# Altium PCB Copy of FPGA_Module.PcbDoc (part 2 of 3)
Units mm, origin at the board's own origin, x right, y up, seen from the top; angles counter-clockwise.
Board outline 40 x 50 mm, 6 copper layers (Top Layer, Int1 (GND), Int2 (Sign), Int3 (Sign), Int4 (GND), Bottom Layer), stack 1.49 mm thick; 166 components, 203 nets, 1172 pads, 436 vias.
Unrouted connection lines stored in the file: 464.
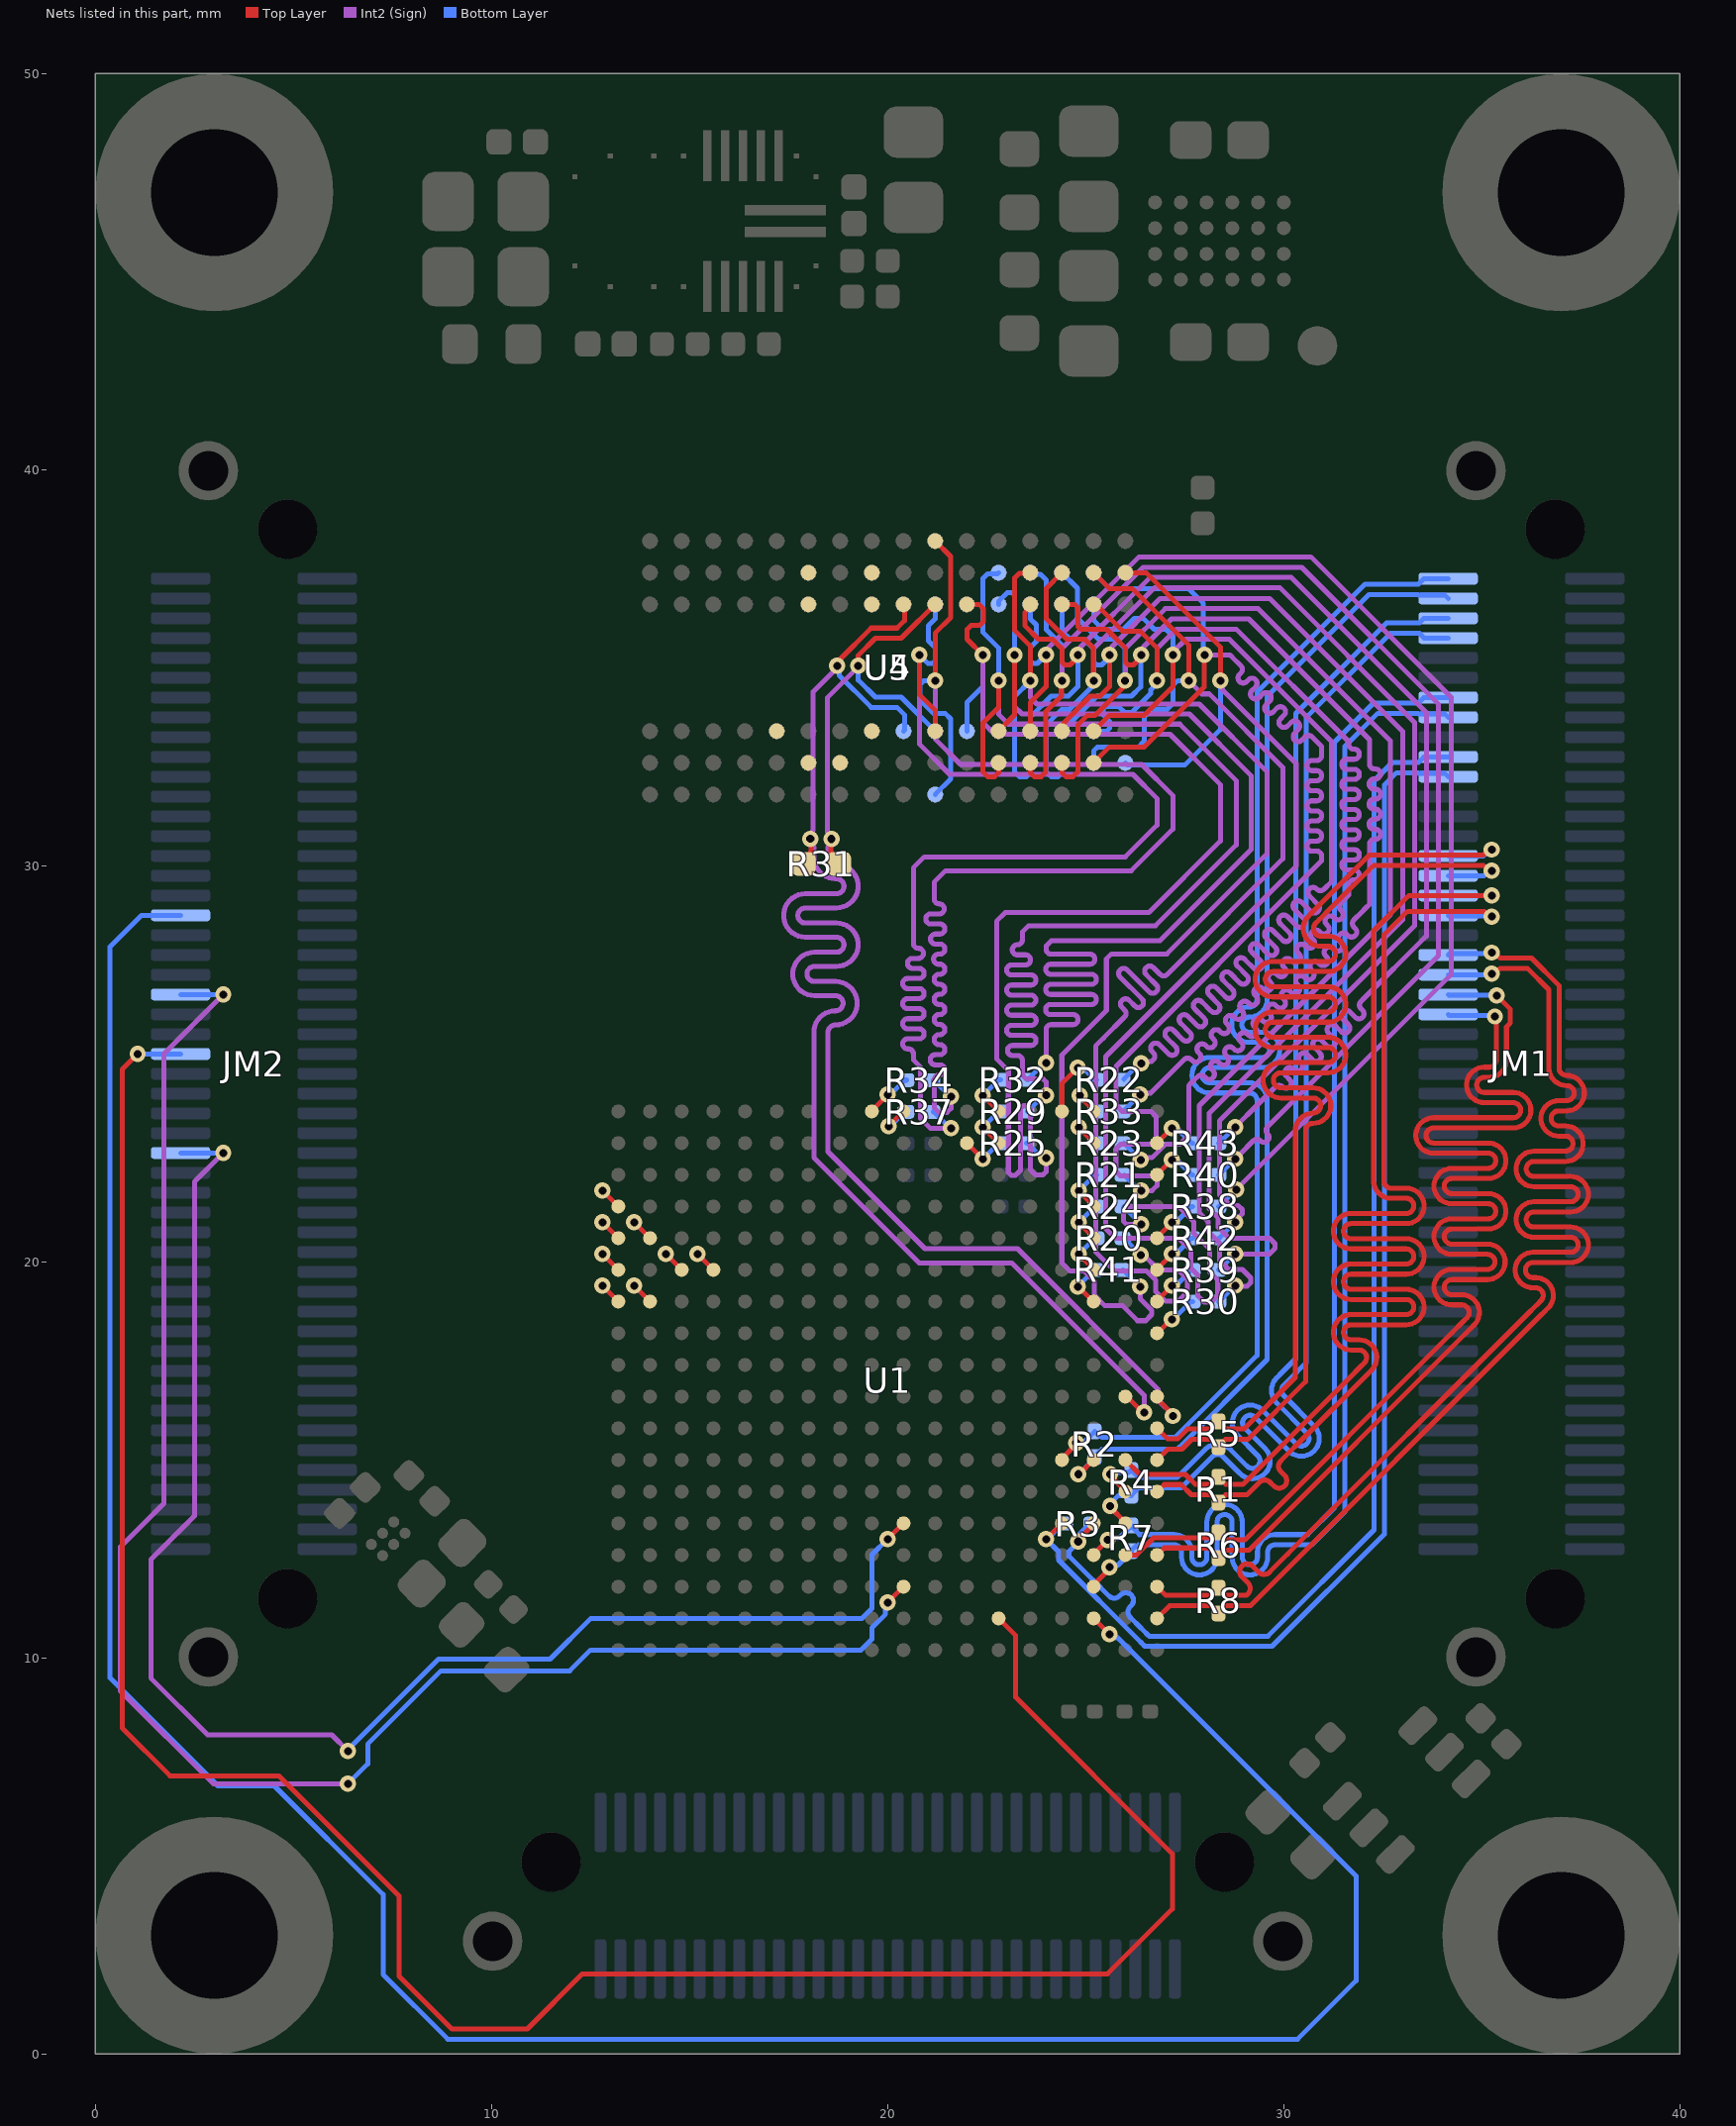
[diagram p5: the nets of this part, all layers, seen from the top]

## Via types
v1: diameter 0.406, hole 0.203, Top Layer to Bottom Layer, tented both sides, 436 vias

## Nets (pads, with @x,y where several pads share a name; then routed paths per layer and width w, separated by ;. In a path a pad name is that pad's centre, name@x,y a point inside that pad or via, vN(x,y) a via of type N, cw(c..) or ccw(c..) an arc to the next point about the centre after c; other vN are vias at no path point) (continued)
D1A_N: JM1.58 R6.1 U1.V4 | length 33.1
  Top Layer w0.127: U1.V4@26.8,12.6 26.809,12.6 26.986,12.777 28.11,12.777 R6.1@28.35,12.537 ; R6.1@28.35,12.525 R6.1@28.35,12.537 ; v1(35.375,26.725) 35.722,26.378 35.722,26.031 35.624,25.933 35.624,25.757 35.624,25.106 cw(c35.176,25.106) 35.176,24.658 35.062,24.658 ccw(c35.062,24.468) 35.062,24.277 35.79,24.277 cw(c35.79,23.829) 35.79,23.382 33.782,23.382 ccw(c33.782,23.191) 33.782,23.001 35.163,23.001 cw(c35.163,22.553) 35.163,22.105 34.243,22.105 ccw(c34.243,21.915) 34.243,21.724 35.163,21.724 cw(c35.163,21.276) 35.163,20.829 34.243,20.829 ccw(c34.243,20.638) 34.243,20.448 35.14,20.448 cw(c35.14,20) 35.14,19.552 34.243,19.552 ccw(c34.243,19.362) 34.243,19.171 34.49,19.171 cw(c34.49,18.724) 34.806,18.406 34.714,18.314 cw(c34.623,18.404) 34.713,18.313 34.612,18.212 29.121,12.721 28.534,12.721 R6.1@28.35,12.537
  Bottom Layer w0.127: JM1.58@34.15,26.75 34.163,26.738 35.362,26.738 v1(35.375,26.725)
D1A_P: JM1.56 R6.2 U1.U4 | length 32.8
  Top Layer w0.127: U1.U4@26,12.6 26.283,12.6 26.718,13.035 28.164,13.035 28.183,13.053 28.24,13.053 R6.2@28.35,13.163 ; R6.2@28.35,13.175 R6.2@28.35,13.163 ; v1(35.328,26.194) 35.367,26.155 35.367,25.757 35.367,25.65 35.367,25.106 cw(c35.176,25.106) 35.176,24.915 35.062,24.915 ccw(c35.062,24.468) 35.062,24.02 35.79,24.02 cw(c35.79,23.829) 35.79,23.639 33.782,23.639 ccw(c33.782,23.191) 33.782,22.743 35.163,22.743 cw(c35.163,22.553) 35.163,22.362 34.243,22.362 ccw(c34.243,21.915) 34.243,21.467 35.163,21.467 cw(c35.163,21.276) 35.163,21.086 34.243,21.086 ccw(c34.243,20.638) 34.243,20.191 35.14,20.191 cw(c35.14,20) 35.14,19.81 34.243,19.81 ccw(c34.243,19.362) 34.243,18.914 34.49,18.914 cw(c34.49,18.724) 34.625,18.588 34.532,18.496 ccw(c34.623,18.404) 34.531,18.495 34.249,18.212 29.015,12.979 28.534,12.979 R6.2@28.35,13.163
  Bottom Layer w0.127: JM1.56@34.15,26.25 34.178,26.222 35.3,26.222 v1(35.328,26.194)
D1B_N: JM1.62 R8.1 U1.V2 | length 32.9
  Top Layer w0.127: U1.V2@26.8,11 27.121,11.321 27.449,11.321 28.166,11.321 R8.1@28.35,11.137 ; R8.1@28.35,11.125 R8.1@28.35,11.137 ; v1(35.25,27.808) 35.326,27.808 35.464,27.67 36.255,27.67 36.95,26.975 36.95,25.916 36.95,25.671 36.95,24.898 ccw(c37.14,24.898) 37.14,24.708 cw(c37.141,24.26) 37.141,23.813 36.94,23.813 ccw(c36.94,23.622) 36.94,23.432 37.113,23.432 cw(c37.113,22.984) 37.113,22.536 36.312,22.536 ccw(c36.312,22.346) 36.312,22.155 37.241,22.155 cw(c37.241,21.707) 37.241,21.26 36.312,21.26 ccw(c36.312,21.069) 36.312,20.879 37.241,20.879 cw(c37.241,20.431) 37.241,19.983 36.29,19.983 ccw(c36.29,19.793) 36.29,19.602 36.36,19.602 cw(c36.36,19.155) 36.676,18.837 36.584,18.745 cw(c36.492,18.835) 36.583,18.744 36.482,18.643 29.16,11.321 28.534,11.321 R8.1@28.35,11.137
  Bottom Layer w0.127: JM1.62@34.15,27.75 34.179,27.779 35.221,27.779 v1(35.25,27.808)
D1B_P: JM1.60 R8.2 U1.V3 | length 32.9
  Top Layer w0.127: U1.V3@26.8,11.8 27.021,11.579 27.275,11.579 28.166,11.579 R8.2@28.35,11.763 ; R8.2@28.35,11.775 R8.2@28.35,11.763 ; v1(35.25,27.275) 35.326,27.275 35.464,27.413 36.148,27.413 36.693,26.868 36.693,25.916 36.693,25.671 36.693,24.898 ccw(c37.14,24.898) 37.14,24.451 cw(c37.141,24.26) 37.141,24.07 36.94,24.07 ccw(c36.94,23.622) 36.94,23.174 37.113,23.174 cw(c37.113,22.984) 37.113,22.793 36.312,22.793 ccw(c36.312,22.346) 36.312,21.898 37.241,21.898 cw(c37.241,21.707) 37.241,21.517 36.312,21.517 ccw(c36.312,21.069) 36.312,20.621 37.241,20.621 cw(c37.241,20.431) 37.241,20.24 36.29,20.24 ccw(c36.29,19.793) 36.29,19.345 36.36,19.345 cw(c36.36,19.155) 36.494,19.019 36.402,18.927 ; R8.2@28.35,11.763 28.534,11.579 29.054,11.579 29.099,11.624 ccw(c28.964,11.758) 29.099,11.893 28.941,12.05 cw(c29.076,12.185) 28.941,12.32 cw(c29.076,12.185) 29.211,12.32 29.368,12.162 ccw(c29.503,12.297) 29.637,12.162 30.1,12.625 36.118,18.643 36.401,18.926 ; 36.402,18.927 ccw(c36.492,18.835) 36.401,18.926
  Bottom Layer w0.127: JM1.60@34.15,27.25 35.225,27.25 v1(35.25,27.275)
D2A_N: JM1.68 R1.2 U1.U7 | length 33.2
  Top Layer w0.127: U1.U7@26,15 26.365,14.635 27.515,14.635 27.771,14.379 28.166,14.379 R1.2@28.35,14.563 ; R1.2@28.35,14.575 R1.2@28.35,14.563 ; 32.035,17.448 31.942,17.356 ccw(c32.033,17.265) 31.941,17.355 31.659,17.073 28.965,14.379 28.534,14.379 R1.2@28.35,14.563 ; 32.035,17.449 ccw(c31.901,17.584) 31.901,17.774 31.699,17.774 cw(c31.699,18.222) 31.699,18.67 33.093,18.67 ccw(c33.093,18.86) 33.093,19.051 31.699,19.051 cw(c31.699,19.498) 31.699,19.946 33.093,19.946 ccw(c33.093,20.137) 33.093,20.327 31.699,20.327 cw(c31.699,20.775) 31.699,21.223 33.093,21.223 ccw(c33.093,21.413) 33.093,21.604 32.715,21.604 cw(c32.715,22.051) 32.268,22.051 32.268,23.03 32.268,23.275 32.268,28.357 33.161,29.25 v1(35.25,29.25)
  Bottom Layer w0.127: JM1.68@34.15,29.25 v1(35.25,29.25)
D2A_P: JM1.66 R1.1 U1.V6 | length 33.1
  Top Layer w0.127: U1.V6@26.843,14.243 U1.V6@26.8,14.2 26.809,14.2 26.986,14.377 27.409,14.377 27.665,14.121 28.166,14.121 R1.1@28.35,13.937 ; R1.1@28.35,13.925 R1.1@28.35,13.937 ; R1.1@28.379,13.908 R1.1@28.35,13.937 ; v1(35.25,28.717) 35.195,28.717 35.062,28.85 33.125,28.85 32.525,28.25 32.525,23.275 32.525,23.03 32.525,22.051 ccw(c32.715,22.051) 32.715,21.861 33.093,21.861 cw(c33.093,21.413) 33.093,20.965 31.699,20.965 ccw(c31.699,20.775) 31.699,20.584 33.093,20.584 cw(c33.093,20.137) 33.093,19.689 31.699,19.689 ccw(c31.699,19.498) 31.699,19.308 33.093,19.308 cw(c33.093,18.86) 33.093,18.413 31.699,18.413 ccw(c31.699,18.222) 31.699,18.032 31.901,18.032 cw(c31.901,17.584) 32.217,17.267 32.124,17.174 cw(c32.033,17.265) 32.123,17.173 32.023,17.073 30.594,15.644 29.925,14.975 ccw(c30.059,14.84) 29.925,14.705 30.019,14.611 cw(c29.884,14.476) 30.019,14.342 cw(c29.884,14.476) 29.749,14.342 29.655,14.436 ccw(c29.52,14.301) 29.386,14.436 29.071,14.121 28.534,14.121 R1.1@28.35,13.937
  Bottom Layer w0.127: JM1.66@34.15,28.75 34.167,28.733 35.233,28.733 v1(35.25,28.717)
D2B_N: JM1.72 R5.2 U1.V8 | length 33.3
  Top Layer w0.127: U1.V8@26.8,15.8 27.071,15.529 27.321,15.529 27.571,15.779 28.166,15.779 R5.2@28.35,15.963 ; R5.2@28.35,15.975 R5.2@28.35,15.963 ; v1(35.25,30.408) 35.174,30.408 35.036,30.27 32.164,30.27 30.818,28.925 30.718,28.824 ccw(c30.808,28.733) 30.717,28.823 30.625,28.731 ccw(c30.94,28.414) 30.94,27.966 31.118,27.966 cw(c31.118,27.776) 31.118,27.585 29.724,27.585 ccw(c29.724,27.137) 29.724,26.69 31.118,26.69 cw(c31.118,26.499) 31.118,26.309 29.724,26.309 ccw(c29.724,25.861) 29.724,25.413 31.118,25.413 cw(c31.118,25.223) 31.118,25.032 29.929,25.032 ccw(c29.929,24.584) 29.929,24.137 30.741,24.137 cw(c30.741,23.946) 30.741,23.756 ccw(c30.74,23.308) 30.293,23.308 30.293,20.395 30.293,20.15 30.293,17.55 30.293,17.082 28.99,15.779 28.534,15.779 R5.2@28.35,15.963
  Bottom Layer w0.127: JM1.72@34.15,30.25 35.047,30.25 35.205,30.408 v1(35.25,30.408)
D2B_P: JM1.70 R5.1 U1.V7 | length 33.3
  Top Layer w0.127: U1.V7@26.8,15 27.071,15.271 27.428,15.271 27.678,15.521 28.166,15.521 R5.1@28.35,15.337 ; R5.1@28.35,15.325 R5.1@28.35,15.337 ; v1(35.25,29.875) 35.174,29.875 35.036,30.013 32.27,30.013 31.182,28.925 30.9,28.642 cw(c30.808,28.733) 30.899,28.642 30.806,28.549 ccw(c30.94,28.414) 30.94,28.223 31.118,28.223 cw(c31.118,27.776) 31.118,27.328 29.724,27.328 ccw(c29.724,27.137) 29.724,26.947 31.118,26.947 cw(c31.118,26.499) 31.118,26.051 29.724,26.051 ccw(c29.724,25.861) 29.724,25.67 31.118,25.67 cw(c31.118,25.223) 31.118,24.775 29.929,24.775 ccw(c29.929,24.584) 29.929,24.394 30.741,24.394 cw(c30.741,23.946) 30.741,23.499 ccw(c30.74,23.308) 30.55,23.308 30.55,20.395 30.55,20.15 30.55,17.55 30.55,16.975 29.096,15.521 28.534,15.521 R5.1@28.35,15.337
  Bottom Layer w0.127: JM1.70@34.15,29.75 35.049,29.75 35.174,29.875 v1(35.25,29.875)
D3A_N: JM1.82 R3.1 U1.T5 | length 32.9
  Top Layer w0.127: v1@24.811,12.947 24.811,12.979 25.2,13.368 U1.T5@25.2,13.4
  Bottom Layer w0.127: R3.1@25.125,13.4 25.113,13.4 24.865,13.152 24.865,13 24.811,12.947 24.811,12.92 24.574,12.682 24.574,12.577 25.15,12 25.195,11.955 25.585,11.566 ccw(c25.719,11.701) 25.854,11.566 25.88,11.592 cw(c26.014,11.457) 26.149,11.592 cw(c26.014,11.457) 26.149,11.322 26.124,11.297 ccw(c26.258,11.162) 26.124,11.027 26.393,10.758 26.438,10.713 26.58,10.57 26.601,10.55 29.6,10.55 32.282,13.232 32.282,32.146 32.743,32.607 33.401,32.607 33.536,32.742 JM1.82@34.142,32.742
  other v1: 24.81,12.938
D3A_P: JM1.80 R3.2 U1.R5 | length 32.9
  Top Layer w0.127: v1(24,13) U1.R5@24.4,13.4
  Bottom Layer w0.127: R3.2@24.475,13.4 24.437,13.4 24.037,13 v1(24,13) 24.316,12.684 24.316,12.471 26.398,10.388 26.494,10.293 29.707,10.293 32.539,13.126 32.539,32.039 32.85,32.35 33.389,32.35 33.41,32.329 34.071,32.329 JM1.80@34.15,32.25
D3B_N: JM1.88 R7.2 U1.T4 | length 32.9
  Top Layer w0.127: U1.T4@25.2,12.6 25.2,12.621 v1(25.557,12.979)
  Bottom Layer w0.127: v1(25.557,12.979) 25.611,13.032 25.857,13.032 R7.2@26.125,13.3 ; R7.2@26.15,13.35 26.15,13.325 26.36,13.115 26.575,13.115 27.23,13.115 cw(c27.23,12.668) 27.678,12.668 27.678,12.544 ccw(c27.868,12.544) 27.868,12.353 ccw(c27.868,12.544) 28.059,12.544 28.059,13.43 cw(c28.506,13.43) 28.506,13.877 cw(c28.506,13.43) 28.954,13.43 28.954,12.544 ccw(c29.145,12.544) 29.145,12.353 ccw(c29.145,12.544) 29.335,12.544 29.335,12.668 cw(c29.783,12.668) 29.783,13.115 29.975,13.115 30.601,13.115 31.282,13.796 31.282,33.121 32.268,34.107 33.401,34.107 33.544,34.25 JM1.88@34.15,34.25
D3B_P: JM1.86 R7.1 U1.T3 | length 33
  Top Layer w0.127: U1.T3@25.2,11.8 25.2,11.846 25.6,12.246 v1(25.6,12.291)
  Bottom Layer w0.127: v1(25.6,12.291) 25.653,12.345 25.82,12.345 26.15,12.675 R7.1@26.15,12.712 ; R7.1@26.15,12.7 R7.1@26.15,12.712 ; JM1.86@34.15,33.75 34.071,33.829 33.41,33.829 33.389,33.85 32.375,33.85 31.539,33.014 31.539,13.689 30.708,12.858 29.975,12.858 29.783,12.858 ccw(c29.783,12.668) 29.592,12.668 29.592,12.544 cw(c29.145,12.544) 29.145,12.096 cw(c29.145,12.544) 28.697,12.544 28.697,13.43 ccw(c28.506,13.43) 28.506,13.62 ccw(c28.506,13.43) 28.316,13.43 28.316,12.544 cw(c27.868,12.544) 27.868,12.096 cw(c27.868,12.544) 27.421,12.544 27.421,12.668 ccw(c27.23,12.668) 27.23,12.858 26.575,12.858 26.336,12.858 26.3,12.822 26.26,12.822 R7.1@26.15,12.712
D4A_N: JM1.96 R4.2 U1.U6 | length 32.8
  Top Layer w0.127: v1@25.616,14.63 25.616,14.607 26,14.223 U1.U6@26,14.2
  Bottom Layer w0.127: v1@25.616,14.63 25.669,14.683 26.083,14.683 R4.2@26.15,14.75 26.15,14.738 26.334,14.554 27.304,14.554 27.504,14.754 27.639,14.889 cw(c27.731,14.799) 27.64,14.89 28.016,15.266 cw(c28.333,14.95) 28.607,15.304 28.612,15.304 28.649,15.267 cw(c28.333,14.95) 28.65,15.266 29.075,14.841 ccw(c29.21,14.975) 29.344,14.84 ; 29.344,15.111 28.835,15.62 cw(c29.151,15.937) 28.834,16.254 cw(c29.151,15.937) 29.468,16.253 30.313,15.408 ccw(c30.448,15.542) 30.583,15.407 ; 29.345,14.841 ccw(c29.21,14.975) 29.345,15.11 ; 29.821,17.071 ccw(c30.138,16.755) 29.822,16.438 ; 29.822,16.438 30.582,15.678 ; 29.822,17.072 29.957,17.207 30.305,17.555 30.305,33.844 32.59,36.129 33.422,36.129 33.544,36.25 JM1.96@34.15,36.25 ; 30.583,15.408 ccw(c30.448,15.542) 30.583,15.677
  other v1: 25.619,14.638
D4A_P: JM1.94 R4.1 U1.U5 | length 32.9
  Top Layer w0.127: v1(25.619,13.836) 25.619,13.809 26,13.428 U1.U5@26,13.4
  Bottom Layer w0.127: v1(25.619,13.836) 25.619,13.894 25.825,14.1 R4.1@26.15,14.1 ; R4.1@26.169,14.131 26.334,14.296 27.41,14.296 27.686,14.572 ; 27.686,14.572 27.821,14.707 ccw(c27.731,14.799) 27.822,14.708 28.198,15.084 ; 28.198,15.084 cw(c28.333,14.95) 28.469,15.084 28.893,14.659 ccw(c29.21,14.975) 29.527,14.659 ccw(c29.21,14.975) 29.526,15.292 29.017,15.802 cw(c29.151,15.937) 29.016,16.071 ; 29.017,16.072 cw(c29.151,15.937) 29.286,16.072 ; 29.287,16.071 30.131,15.226 ccw(c30.448,15.542) 30.765,15.226 ccw(c30.448,15.542) 30.764,15.859 30.004,16.62 cw(c30.138,16.755) 30.004,16.89 30.139,17.026 30.562,17.448 30.562,33.737 32.696,35.871 33.422,35.871 33.544,35.75 JM1.94@34.15,35.75
D4B_N: JM1.100 R2.2 U1.R7 | length 33
  Top Layer w0.127: U1.R7@24.4,15 24.4,15.034 24.761,15.395 v1(24.761,15.429)
  Bottom Layer w0.127: v1(24.761,15.429) 24.802,15.47 24.982,15.47 R2.2@25.225,15.713 ; R2.2@25.225,15.725 R2.2@25.225,15.713 ; JM1.100@34.15,37.25 33.544,37.25 33.401,37.107 32.051,37.107 29.325,34.382 29.325,27.467 29.325,26.627 cw(c29.135,26.627) 29.135,26.437 ccw(c29.134,25.989) 28.687,25.989 ccw(c29.134,25.989) 29.134,25.541 29.454,25.541 cw(c29.454,25.351) 29.644,25.351 cw(c29.454,25.351) 29.454,25.16 28.129,25.16 ccw(c28.129,24.712) 27.682,24.712 ccw(c28.129,24.712) 28.129,24.265 29.135,24.265 cw(c29.135,24.074) 29.325,24.074 29.325,21.329 29.325,17.639 27.261,15.575 25.411,15.575 25.382,15.603 25.335,15.603 R2.2@25.225,15.713
D4B_P: JM1.98 R2.1 U1.T7 | length 33.1
  Top Layer w0.127: v1@24.813,14.62 24.816,14.62 25.197,15 U1.T7@25.2,15
  Bottom Layer w0.127: v1@24.813,14.62 24.813,14.629 25.225,15.041 25.225,15.087 25.409,15.271 27.31,15.271 27.356,15.317 27.367,15.317 29.582,17.532 29.582,21.329 29.582,24.074 ccw(c29.135,24.074) 29.135,24.522 28.129,24.522 cw(c28.129,24.712) 27.939,24.712 cw(c28.129,24.712) 28.129,24.903 29.454,24.903 ccw(c29.454,25.351) 29.901,25.351 ccw(c29.454,25.351) 29.454,25.798 29.134,25.798 cw(c29.134,25.989) 28.944,25.989 cw(c29.134,25.989) 29.134,26.179 ccw(c29.135,26.627) 29.582,26.627 29.582,27.467 29.582,34.275 32.157,36.85 33.389,36.85 33.41,36.829 34.071,36.829 JM1.98@34.15,36.75
  other v1: 24.813,14.638
DC_CPL_1: JM2.42 U1.K5 | length 38
  Top Layer w0.127: v1(20,13) U1.K5@20.362,13.362
  Int2 (Sign) w0.127: v1(3.23,22.75) 2.5,22.02 2.5,13.584 1.4,12.485 1.4,9.49 2.834,8.056 5.969,8.056 v1(6.375,7.65)
  Bottom Layer w0.127: JM2.42@2.15,22.75 v1(3.23,22.75) ; v1(6.375,7.65) 6.375,7.684 8.662,9.971 11.48,9.971 12.509,11 19.357,11 19.606,11.249 19.606,12.606 v1(20,13)
DC_CPL_2: JM2.52 U1.N2 | length 59.5
  Top Layer w0.127: v1(1.07,25.25) 0.676,24.856 0.676,8.233 1.885,7.024 4.632,7.024 7.667,3.99 7.667,1.967 9,0.634 10.903,0.634 12.293,2.025 25.55,2.025 27.187,3.662 27.187,5.053 23.235,9.006 23.235,10.565 U1.N2@22.8,11
  Bottom Layer w0.127: v1(1.07,25.25) JM2.52@2.15,25.25
DC_CPL_3: JM2.58 U1.K3 | length 43.1
  Top Layer w0.127: v1(20,11.4) U1.K3@20.362,11.762
  Int2 (Sign) w0.127: v1(3.23,26.75) 1.729,25.249 1.729,13.904 0.629,12.804 0.629,9.171 2.975,6.825 v1(6.375,6.825)
  Bottom Layer w0.127: JM2.58@2.15,26.75 v1(3.23,26.75) ; v1(6.375,6.825) 6.875,7.325 6.875,7.825 8.725,9.675 11.975,9.675 12.5,10.2 19.332,10.2 19.606,10.475 19.606,10.763 19.947,11.103 19.947,11.347 v1(20,11.4)
DC_CPL_4: JM2.66 U1.T2 | length 69.5
  Top Layer w0.127: U1.T2@25.238,10.962 v1(25.6,10.6)
  Bottom Layer w0.127: JM2.66@2.15,28.75 1.166,28.75 0.371,27.955 0.371,9.495 3.095,6.771 4.52,6.771 7.263,4.028 7.263,2.009 8.897,0.375 30.35,0.375 31.825,1.85 31.825,4.494 25.811,10.508 25.768,10.508 25.676,10.6 v1(25.6,10.6)
DDR3_A0: R38.1 U1.V14 | length 1.2
  Top Layer w0.127: U1.V14@26.8,20.6 26.8,20.613 27.175,20.988 v1(27.175,21)
  Bottom Layer w0.127: v1(27.175,21) 27.228,21.053 27.328,21.053 27.675,21.4 R38.1@27.7,21.4
DDR3_A0_T: R38.2 U4.N3 U5.N3 | length 32.3
  Top Layer w0.127: U4.N3@23.6,33.4 23.6,34.118 24,34.518 v1(24,35.325)
  Int2 (Sign) w0.127: v1(24,35.325) 24.053,35.378 24.053,35.504 26.349,37.8 30.683,37.8 34.225,34.258 34.225,27.25 v1(28.8,21.825)
  Bottom Layer w0.127: U5.N3@23.6,36.6 23.6,36.236 23.755,36.081 23.755,35.662 23.601,35.508 23.601,35.18 23.675,35.105 23.78,35.105 v1(24,35.325) ; R38.2@28.35,21.4 28.375,21.4 v1(28.8,21.825)
DDR3_A1: R23.1 U1.T17 | length 1.2
  Top Layer w0.127: v1(24.825,23.4) 24.825,23.388 25.187,23.025 U1.T17@25.187,23
  Bottom Layer w0.127: v1(24.825,23.4) 24.837,23.4 25.238,23 R23.1@25.275,23
DDR3_A1_T: R23.2 U4.P7 U5.P7 | length 33.5
  Top Layer w0.127: U4.P7@24.4,36.6 24.723,36.6 24.8,36.523 24.8,36.047 24.874,35.973 25.527,35.973 26,35.5 26,35.143 26.074,35.069 26.205,35.069 26.4,35.264 v1(26.4,35.325)
  Int2 (Sign) w0.127: v1(26.388,22.575) 26.441,22.628 26.672,22.628 27.018,22.975 27.375,22.975 27.6,23.2 27.6,24.45 27.645,24.495 27.824,24.675 cw(c27.914,24.585) 28.004,24.675 28.033,24.646 ccw(c28.122,24.736) 28.212,24.646 ccw(c28.122,24.736) 28.212,24.826 28.184,24.854 cw(c28.273,24.944) 28.184,25.034 cw(c28.273,24.944) 28.363,25.034 28.392,25.005 ccw(c28.482,25.095) 28.571,25.005 ccw(c28.482,25.095) 28.571,25.185 28.543,25.213 cw(c28.633,25.303) 28.543,25.393 cw(c28.633,25.303) 28.722,25.393 28.751,25.364 ccw(c28.841,25.454) 28.931,25.364 ccw(c28.841,25.454) 28.931,25.544 28.902,25.573 cw(c28.992,25.662) 28.902,25.752 cw(c28.992,25.662) 29.082,25.752 29.11,25.724 ccw(c29.2,25.813) 29.29,25.724 ccw(c29.2,25.813) 29.29,25.903 29.261,25.932 cw(c29.351,26.022) 29.261,26.111 cw(c29.351,26.022) 29.441,26.111 29.469,26.083 ccw(c29.559,26.173) 29.649,26.083 ccw(c29.559,26.173) 29.649,26.262 29.62,26.291 cw(c29.71,26.381) 29.62,26.471 cw(c29.71,26.381) 29.8,26.471 29.829,26.442 ccw(c29.919,26.532) 30.008,26.442 ccw(c29.919,26.532) 30.008,26.622 29.98,26.65 cw(c30.07,26.74) 29.98,26.83 cw(c30.07,26.74) 30.159,26.83 30.188,26.801 ccw(c30.278,26.891) 30.368,26.801 ccw(c30.278,26.891) 30.368,26.981 30.339,27.009 cw(c30.429,27.099) 30.339,27.189 cw(c30.429,27.099) 30.519,27.189 30.547,27.16 ccw(c30.637,27.25) 30.727,27.16 ccw(c30.637,27.25) 30.727,27.34 30.698,27.369 cw(c30.788,27.458) 30.698,27.548 cw(c30.788,27.458) 30.878,27.548 30.906,27.52 ccw(c30.996,27.609) 31.086,27.52 ccw(c30.996,27.609) 31.086,27.699 31.057,27.728 cw(c31.147,27.818) 31.057,27.907 cw(c31.147,27.818) 31.237,27.907 31.266,27.879 ccw(c31.355,27.969) 31.445,27.879 ccw(c31.355,27.969) 31.445,28.058 31.417,28.087 cw(c31.506,28.177) 31.417,28.267 cw(c31.506,28.177) 31.596,28.267 31.625,28.238 ccw(c31.715,28.328) 31.804,28.238 ccw(c31.715,28.328) 31.804,28.418 31.77,28.452 cw(c31.86,28.542) 31.77,28.632 31.966,28.828 32.069,28.931 32.164,29.026 32.164,30.056 32.164,30.54 cw(c32.291,30.54) 32.291,30.667 32.314,30.667 ccw(c32.314,30.794) 32.314,30.921 32.28,30.921 cw(c32.28,31.048) 32.28,31.175 32.314,31.175 ccw(c32.314,31.302) 32.314,31.429 32.28,31.429 cw(c32.28,31.556) 32.28,31.683 32.314,31.683 ccw(c32.314,31.81) 32.314,31.937 32.281,31.937 cw(c32.281,32.064) 32.281,32.191 32.314,32.191 ccw(c32.314,32.318) 32.314,32.445 32.291,32.445 cw(c32.291,32.572) 32.164,32.572 32.164,32.635 32.164,33.186 29.116,36.234 27.169,36.234 26.453,35.519 26.453,35.378 v1(26.4,35.325)